# Altium PCB EDA-03518-V3-0_pcb.pcbdoc (part 9 of 14)
Units mm, origin at the board's own origin, x right, y up, seen from the top; angles counter-clockwise.
Board outline 220 x 230 mm, 8 copper layers (Top Layer, L2P, L3, L4P, L5P, L6, L7P, Bottom Layer), stack 2.18 mm thick; 1190 components, 1445 nets, 5955 pads, 2149 vias.
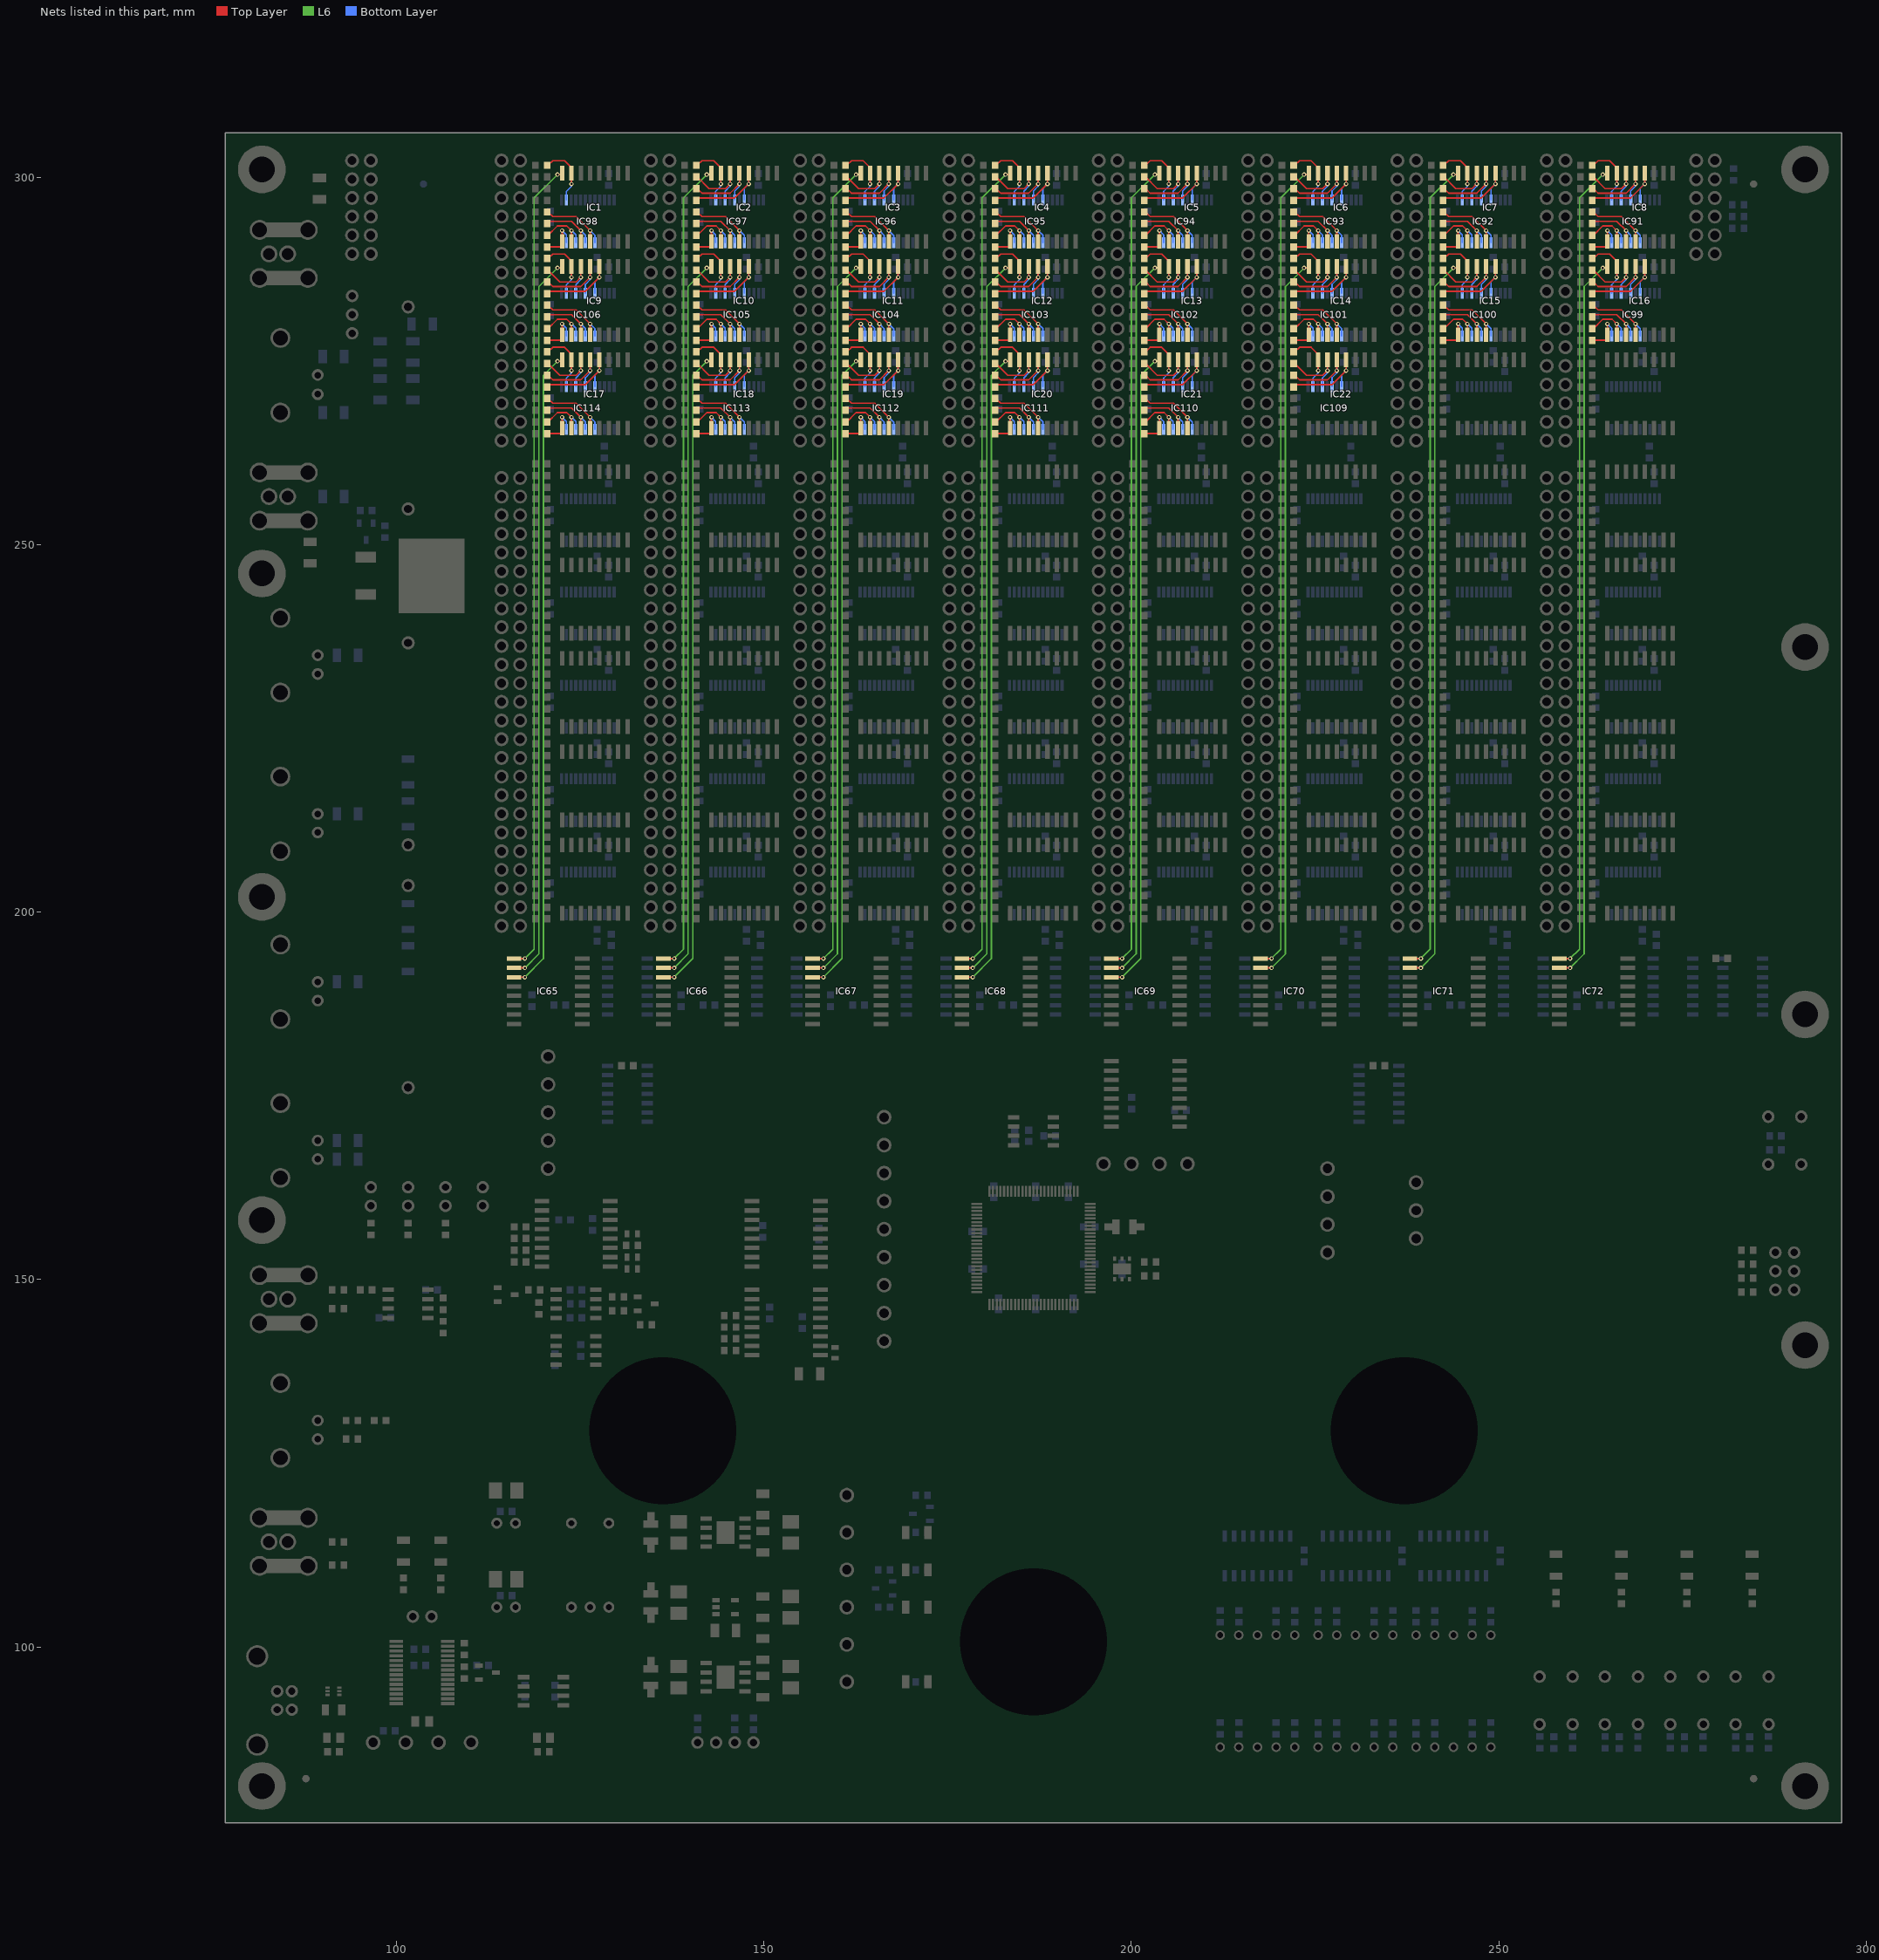
[diagram p15: the nets of this part, all layers, seen from the top]

## Via types
v1: diameter 0.6, hole 0.3, Top Layer to Bottom Layer, tented both sides, 1995 vias
v2: diameter 1, hole 0.5, Top Layer to Bottom Layer, tented both sides, 154 vias

## Nets (pads, with @x,y where several pads share a name; then routed paths per layer and width w, separated by ;. In a path a pad name is that pad's centre, name@x,y a point inside that pad or via, vN(x,y) a via of type N, cw(c..) or ccw(c..) an arc to the next point about the centre after c; other vN are vias at no path point) (continued)
NetIC1_7: IC1.7 IC98.14 R1.2 | length 8.7
  Top Layer w0.203: R1.2@120.498,301.625 120.65,301.625 121.285,302.26 122.872,302.26 123.825,301.308 IC1.7@123.825,300.56 v1(123.825,299.085)
  Bottom Layer w0.203: IC98.14@123.122,296.905 123.122,298.065 123.825,298.767 v1(123.825,299.085)
NetIC1_8: IC1.8 IC65.9 | length 110.7
  Top Layer w0.203: IC65.9@116,193.675 v1(117.475,193.675) ; v1(121.92,300.355) 122.35,300.355 IC1.8@122.555,300.56
  L6 w0.203: v1(117.475,193.675) 118.745,194.945 118.745,297.18 v1(121.92,300.355)
NetIC1_9: IC1.9 IC98.11 R58.2 | length 6.1
  Top Layer w0.203: R58.2@120.498,290.512 122.555,290.512 IC1.9@122.555,291.26 v1(122.555,292.735)
  Bottom Layer w0.203: v1(122.555,292.735) 123.122,292.168 IC98.11@123.122,291.105
NetIC1_10: IC1.10 IC98.9 R50.2 | length 7.5
  Top Layer w0.203: R50.2@120.498,292.1 120.65,292.1 121.92,293.37 123.19,293.37 v1(123.825,292.735) IC1.10@123.825,291.26
  Bottom Layer w0.203: v1(123.825,292.735) 124.422,292.138 IC98.9@124.422,291.105
NetIC1_11: IC1.11 IC98.7 R42.2 | length 8.6
  Top Layer w0.203: R42.2@120.498,293.688 120.815,294.005 123.825,294.005 v1(125.095,292.735) IC1.11@125.095,291.26
  Bottom Layer w0.203: v1(125.095,292.735) 125.722,292.108 IC98.7@125.722,291.105
NetIC1_12: IC1.12 IC98.5 R34.2 | length 10.3
  Top Layer w0.203: R34.2@120.498,295.275 120.65,295.275 121.285,294.64 124.46,294.64 v1(126.365,292.735) IC1.12@126.365,291.26
  Bottom Layer w0.203: v1(126.365,292.735) 127.022,292.078 IC98.5@127.022,291.105
NetIC2_4: IC2.4 IC97.20 R27.2 | length 12
  Top Layer w0.203: R27.2@140.818,296.863 141.135,297.18 146.05,297.18 v1(147.955,299.085) IC2.4@147.955,300.56
  Bottom Layer w0.203: IC97.20@147.342,296.905 147.342,298.472 v1(147.955,299.085)
NetIC2_5: IC2.5 IC97.18 R19.2 | length 10.6
  Top Layer w0.203: R19.2@140.818,298.45 140.97,298.45 141.605,297.815 145.415,297.815 v1(146.685,299.085) IC2.5@146.685,300.56
  Bottom Layer w0.203: IC97.18@146.042,296.905 146.042,298.125 146.685,298.767 v1(146.685,299.085)
NetIC2_6: IC2.6 IC97.16 R10.2 | length 9.5
  Top Layer w0.203: R10.2@140.818,300.037 140.97,300.037 142.558,298.45 144.78,298.45 v1(145.415,299.085) IC2.6@145.415,300.56
  Bottom Layer w0.203: IC97.16@144.742,296.905 144.742,298.095 145.415,298.767 v1(145.415,299.085)
NetIC2_7: IC2.7 IC97.14 R2.2 | length 8.7
  Top Layer w0.203: R2.2@140.818,301.625 140.97,301.625 141.605,302.26 143.192,302.26 144.145,301.308 IC2.7@144.145,300.56 v1(144.145,299.085)
  Bottom Layer w0.203: IC97.14@143.442,296.905 143.442,298.065 144.145,298.767 v1(144.145,299.085)
NetIC2_8: IC2.8 IC66.9 | length 110.7
  Top Layer w0.203: IC66.9@136.32,193.675 v1(137.795,193.675) ; v1(142.24,300.355) 142.67,300.355 IC2.8@142.875,300.56
  L6 w0.203: v1(137.795,193.675) 139.065,194.945 139.065,297.18 v1(142.24,300.355)
NetIC2_9: IC2.9 IC97.11 R59.2 | length 6.1
  Top Layer w0.203: R59.2@140.818,290.512 142.875,290.512 IC2.9@142.875,291.26 v1(142.875,292.735)
  Bottom Layer w0.203: v1(142.875,292.735) 143.442,292.168 IC97.11@143.442,291.105
NetIC2_10: IC2.10 IC97.9 R51.2 | length 7.5
  Top Layer w0.203: R51.2@140.818,292.1 140.97,292.1 142.24,293.37 143.51,293.37 v1(144.145,292.735) IC2.10@144.145,291.26
  Bottom Layer w0.203: v1(144.145,292.735) 144.742,292.138 IC97.9@144.742,291.105
NetIC2_11: IC2.11 IC97.7 R43.2 | length 8.6
  Top Layer w0.203: R43.2@140.818,293.688 141.135,294.005 144.145,294.005 v1(145.415,292.735) IC2.11@145.415,291.26
  Bottom Layer w0.203: v1(145.415,292.735) 146.042,292.108 IC97.7@146.042,291.105
NetIC2_12: IC2.12 IC97.5 R35.2 | length 10.3
  Top Layer w0.203: R35.2@140.818,295.275 140.97,295.275 141.605,294.64 144.78,294.64 v1(146.685,292.735) IC2.12@146.685,291.26
  Bottom Layer w0.203: v1(146.685,292.735) 147.342,292.078 IC97.5@147.342,291.105
NetIC3_4: IC3.4 IC96.20 R28.2 | length 12
  Top Layer w0.203: R28.2@161.138,296.863 161.455,297.18 166.37,297.18 v1(168.275,299.085) IC3.4@168.275,300.56
  Bottom Layer w0.203: IC96.20@167.662,296.905 167.662,298.472 v1(168.275,299.085)
NetIC3_5: IC3.5 IC96.18 R20.2 | length 10.6
  Top Layer w0.203: R20.2@161.138,298.45 161.29,298.45 161.925,297.815 165.735,297.815 v1(167.005,299.085) IC3.5@167.005,300.56
  Bottom Layer w0.203: IC96.18@166.362,296.905 166.362,298.125 167.005,298.767 v1(167.005,299.085)
NetIC3_6: IC3.6 IC96.16 R11.2 | length 9.5
  Top Layer w0.203: R11.2@161.138,300.037 161.29,300.037 162.877,298.45 165.1,298.45 v1(165.735,299.085) IC3.6@165.735,300.56
  Bottom Layer w0.203: IC96.16@165.062,296.905 165.062,298.095 165.735,298.767 v1(165.735,299.085)
NetIC3_7: IC3.7 IC96.14 R3.2 | length 8.7
  Top Layer w0.203: R3.2@161.138,301.625 161.29,301.625 161.925,302.26 163.512,302.26 164.465,301.308 IC3.7@164.465,300.56 v1(164.465,299.085)
  Bottom Layer w0.203: IC96.14@163.762,296.905 163.762,298.065 164.465,298.767 v1(164.465,299.085)
NetIC3_8: IC3.8 IC67.9 | length 110.7
  Top Layer w0.203: IC67.9@156.64,193.675 v1(158.115,193.675) ; v1(162.56,300.355) 162.99,300.355 IC3.8@163.195,300.56
  L6 w0.203: v1(158.115,193.675) 159.385,194.945 159.385,297.18 v1(162.56,300.355)
NetIC3_9: IC3.9 IC96.11 R60.2 | length 6.1
  Top Layer w0.203: R60.2@161.138,290.512 163.195,290.512 IC3.9@163.195,291.26 v1(163.195,292.735)
  Bottom Layer w0.203: v1(163.195,292.735) 163.762,292.168 IC96.11@163.762,291.105
NetIC3_10: IC3.10 IC96.9 R52.2 | length 7.5
  Top Layer w0.203: R52.2@161.138,292.1 161.29,292.1 162.56,293.37 163.83,293.37 v1(164.465,292.735) IC3.10@164.465,291.26
  Bottom Layer w0.203: v1(164.465,292.735) 165.062,292.138 IC96.9@165.062,291.105
NetIC3_11: IC3.11 IC96.7 R44.2 | length 8.6
  Top Layer w0.203: R44.2@161.138,293.688 161.455,294.005 164.465,294.005 v1(165.735,292.735) IC3.11@165.735,291.26
  Bottom Layer w0.203: v1(165.735,292.735) 166.362,292.108 IC96.7@166.362,291.105
NetIC3_12: IC3.12 IC96.5 R36.2 | length 10.3
  Top Layer w0.203: R36.2@161.138,295.275 161.29,295.275 161.925,294.64 165.1,294.64 v1(167.005,292.735) IC3.12@167.005,291.26
  Bottom Layer w0.203: v1(167.005,292.735) 167.662,292.078 IC96.5@167.662,291.105
NetIC4_4: IC4.4 IC95.20 R29.2 | length 12
  Top Layer w0.203: R29.2@181.458,296.863 181.775,297.18 186.69,297.18 v1(188.595,299.085) IC4.4@188.595,300.56
  Bottom Layer w0.203: IC95.20@187.982,296.905 187.982,298.472 v1(188.595,299.085)
NetIC4_5: IC4.5 IC95.18 R21.2 | length 10.6
  Top Layer w0.203: R21.2@181.458,298.45 181.61,298.45 182.245,297.815 186.055,297.815 v1(187.325,299.085) IC4.5@187.325,300.56
  Bottom Layer w0.203: IC95.18@186.682,296.905 186.682,298.125 187.325,298.767 v1(187.325,299.085)
NetIC4_6: IC4.6 IC95.16 R12.2 | length 9.5
  Top Layer w0.203: R12.2@181.458,300.037 181.61,300.037 183.197,298.45 185.42,298.45 v1(186.055,299.085) IC4.6@186.055,300.56
  Bottom Layer w0.203: IC95.16@185.382,296.905 185.382,298.095 186.055,298.767 v1(186.055,299.085)
NetIC4_7: IC4.7 IC95.14 R4.2 | length 8.7
  Top Layer w0.203: R4.2@181.458,301.625 181.61,301.625 182.245,302.26 183.832,302.26 184.785,301.308 IC4.7@184.785,300.56 v1(184.785,299.085)
  Bottom Layer w0.203: IC95.14@184.082,296.905 184.082,298.065 184.785,298.767 v1(184.785,299.085)
NetIC4_8: IC4.8 IC68.9 | length 110.7
  Top Layer w0.203: IC68.9@176.96,193.675 v1(178.435,193.675) ; v1(182.88,300.355) 183.31,300.355 IC4.8@183.515,300.56
  L6 w0.203: v1(178.435,193.675) 179.705,194.945 179.705,297.18 v1(182.88,300.355)
NetIC4_9: IC4.9 IC95.11 R61.2 | length 6.1
  Top Layer w0.203: R61.2@181.458,290.512 183.515,290.512 IC4.9@183.515,291.26 v1(183.515,292.735)
  Bottom Layer w0.203: v1(183.515,292.735) 184.082,292.168 IC95.11@184.082,291.105
NetIC4_10: IC4.10 IC95.9 R53.2 | length 7.5
  Top Layer w0.203: R53.2@181.458,292.1 181.61,292.1 182.88,293.37 184.15,293.37 v1(184.785,292.735) IC4.10@184.785,291.26
  Bottom Layer w0.203: v1(184.785,292.735) 185.382,292.138 IC95.9@185.382,291.105
NetIC4_11: IC4.11 IC95.7 R45.2 | length 8.6
  Top Layer w0.203: R45.2@181.458,293.688 181.775,294.005 184.785,294.005 v1(186.055,292.735) IC4.11@186.055,291.26
  Bottom Layer w0.203: v1(186.055,292.735) 186.682,292.108 IC95.7@186.682,291.105
NetIC4_12: IC4.12 IC95.5 R37.2 | length 10.3
  Top Layer w0.203: R37.2@181.458,295.275 181.61,295.275 182.245,294.64 185.42,294.64 v1(187.325,292.735) IC4.12@187.325,291.26
  Bottom Layer w0.203: v1(187.325,292.735) 187.982,292.078 IC95.5@187.982,291.105
NetIC5_4: IC5.4 IC94.20 R30.2 | length 12
  Top Layer w0.203: R30.2@201.778,296.863 202.095,297.18 207.01,297.18 v1(208.915,299.085) IC5.4@208.915,300.56
  Bottom Layer w0.203: IC94.20@208.302,296.905 208.302,298.472 v1(208.915,299.085)
NetIC5_5: IC5.5 IC94.18 R22.2 | length 10.6
  Top Layer w0.203: R22.2@201.778,298.45 201.93,298.45 202.565,297.815 206.375,297.815 v1(207.645,299.085) IC5.5@207.645,300.56
  Bottom Layer w0.203: IC94.18@207.002,296.905 207.002,298.125 207.645,298.767 v1(207.645,299.085)
NetIC5_6: IC5.6 IC94.16 R13.2 | length 9.5
  Top Layer w0.203: R13.2@201.778,300.037 201.93,300.037 203.517,298.45 205.74,298.45 v1(206.375,299.085) IC5.6@206.375,300.56
  Bottom Layer w0.203: IC94.16@205.702,296.905 205.702,298.095 206.375,298.767 v1(206.375,299.085)
NetIC5_7: IC5.7 IC94.14 R5.2 | length 8.7
  Top Layer w0.203: R5.2@201.778,301.625 201.93,301.625 202.565,302.26 204.153,302.26 205.105,301.308 IC5.7@205.105,300.56 v1(205.105,299.085)
  Bottom Layer w0.203: IC94.14@204.402,296.905 204.402,298.065 205.105,298.767 v1(205.105,299.085)
NetIC5_8: IC5.8 IC69.9 | length 110.7
  Top Layer w0.203: IC69.9@197.28,193.675 v1(198.755,193.675) ; v1(203.2,300.355) 203.63,300.355 IC5.8@203.835,300.56
  L6 w0.203: v1(198.755,193.675) 200.025,194.945 200.025,297.18 v1(203.2,300.355)
NetIC5_9: IC5.9 IC94.11 R62.2 | length 6.1
  Top Layer w0.203: R62.2@201.778,290.512 203.835,290.512 IC5.9@203.835,291.26 v1(203.835,292.735)
  Bottom Layer w0.203: v1(203.835,292.735) 204.402,292.168 IC94.11@204.402,291.105
NetIC5_10: IC5.10 IC94.9 R54.2 | length 7.5
  Top Layer w0.203: R54.2@201.778,292.1 201.93,292.1 203.2,293.37 204.47,293.37 v1(205.105,292.735) IC5.10@205.105,291.26
  Bottom Layer w0.203: v1(205.105,292.735) 205.702,292.138 IC94.9@205.702,291.105
NetIC5_11: IC5.11 IC94.7 R46.2 | length 8.6
  Top Layer w0.203: R46.2@201.778,293.688 202.095,294.005 205.105,294.005 v1(206.375,292.735) IC5.11@206.375,291.26
  Bottom Layer w0.203: v1(206.375,292.735) 207.002,292.108 IC94.7@207.002,291.105
NetIC5_12: IC5.12 IC94.5 R38.2 | length 10.3
  Top Layer w0.203: R38.2@201.778,295.275 201.93,295.275 202.565,294.64 205.74,294.64 v1(207.645,292.735) IC5.12@207.645,291.26
  Bottom Layer w0.203: v1(207.645,292.735) 208.302,292.078 IC94.5@208.302,291.105
NetIC6_4: IC6.4 IC93.20 R31.2 | length 12
  Top Layer w0.203: R31.2@222.098,296.863 222.415,297.18 227.33,297.18 v1(229.235,299.085) IC6.4@229.235,300.56
  Bottom Layer w0.203: IC93.20@228.622,296.905 228.622,298.472 v1(229.235,299.085)
NetIC6_5: IC6.5 IC93.18 R23.2 | length 10.6
  Top Layer w0.203: R23.2@222.098,298.45 222.25,298.45 222.885,297.815 226.695,297.815 v1(227.965,299.085) IC6.5@227.965,300.56
  Bottom Layer w0.203: IC93.18@227.322,296.905 227.322,298.125 227.965,298.767 v1(227.965,299.085)
NetIC6_6: IC6.6 IC93.16 R14.2 | length 9.5
  Top Layer w0.203: R14.2@222.098,300.037 222.25,300.037 223.837,298.45 226.06,298.45 v1(226.695,299.085) IC6.6@226.695,300.56
  Bottom Layer w0.203: IC93.16@226.022,296.905 226.022,298.095 226.695,298.767 v1(226.695,299.085)
NetIC6_7: IC6.7 IC93.14 R6.2 | length 8.7
  Top Layer w0.203: R6.2@222.098,301.625 222.25,301.625 222.885,302.26 224.472,302.26 225.425,301.308 IC6.7@225.425,300.56 v1(225.425,299.085)
  Bottom Layer w0.203: IC93.14@224.722,296.905 224.722,298.065 225.425,298.767 v1(225.425,299.085)
NetIC6_8: IC6.8 IC70.9 | length 110.7
  Top Layer w0.203: IC70.9@217.6,193.675 v1(219.075,193.675) ; v1(223.52,300.355) 223.95,300.355 IC6.8@224.155,300.56
  L6 w0.203: v1(219.075,193.675) 220.345,194.945 220.345,297.18 v1(223.52,300.355)
NetIC6_9: IC6.9 IC93.11 R63.2 | length 6.1
  Top Layer w0.203: R63.2@222.098,290.512 224.155,290.512 IC6.9@224.155,291.26 v1(224.155,292.735)
  Bottom Layer w0.203: v1(224.155,292.735) 224.722,292.168 IC93.11@224.722,291.105
NetIC6_10: IC6.10 IC93.9 R55.2 | length 7.5
  Top Layer w0.203: R55.2@222.098,292.1 222.25,292.1 223.52,293.37 224.79,293.37 v1(225.425,292.735) IC6.10@225.425,291.26
  Bottom Layer w0.203: v1(225.425,292.735) 226.022,292.138 IC93.9@226.022,291.105
NetIC6_11: IC6.11 IC93.7 R47.2 | length 8.6
  Top Layer w0.203: R47.2@222.098,293.688 222.415,294.005 225.425,294.005 v1(226.695,292.735) IC6.11@226.695,291.26
  Bottom Layer w0.203: v1(226.695,292.735) 227.322,292.108 IC93.7@227.322,291.105
NetIC6_12: IC6.12 IC93.5 R39.2 | length 10.3
  Top Layer w0.203: R39.2@222.098,295.275 222.25,295.275 222.885,294.64 226.06,294.64 v1(227.965,292.735) IC6.12@227.965,291.26
  Bottom Layer w0.203: v1(227.965,292.735) 228.622,292.078 IC93.5@228.622,291.105
NetIC7_4: IC7.4 IC92.20 R32.2 | length 12
  Top Layer w0.203: R32.2@242.418,296.863 242.735,297.18 247.65,297.18 v1(249.555,299.085) IC7.4@249.555,300.56
  Bottom Layer w0.203: IC92.20@248.942,296.905 248.942,298.472 v1(249.555,299.085)
NetIC7_5: IC7.5 IC92.18 R24.2 | length 10.6
  Top Layer w0.203: R24.2@242.418,298.45 242.57,298.45 243.205,297.815 247.015,297.815 v1(248.285,299.085) IC7.5@248.285,300.56
  Bottom Layer w0.203: IC92.18@247.642,296.905 247.642,298.125 248.285,298.767 v1(248.285,299.085)
NetIC7_6: IC7.6 IC92.16 R15.2 | length 9.5
  Top Layer w0.203: R15.2@242.418,300.037 242.57,300.037 244.157,298.45 246.38,298.45 v1(247.015,299.085) IC7.6@247.015,300.56
  Bottom Layer w0.203: IC92.16@246.342,296.905 246.342,298.095 247.015,298.767 v1(247.015,299.085)
NetIC7_7: IC7.7 IC92.14 R7.2 | length 8.7
  Top Layer w0.203: R7.2@242.418,301.625 242.57,301.625 243.205,302.26 244.792,302.26 245.745,301.308 IC7.7@245.745,300.56 v1(245.745,299.085)
  Bottom Layer w0.203: IC92.14@245.042,296.905 245.042,298.065 245.745,298.767 v1(245.745,299.085)
NetIC7_8: IC7.8 IC71.9 | length 110.7
  Top Layer w0.203: IC71.9@237.92,193.675 v1(239.395,193.675) ; v1(243.84,300.355) 244.27,300.355 IC7.8@244.475,300.56
  L6 w0.203: v1(239.395,193.675) 240.665,194.945 240.665,297.18 v1(243.84,300.355)
NetIC7_9: IC7.9 IC92.11 R64.2 | length 6.1
  Top Layer w0.203: R64.2@242.418,290.512 244.475,290.512 IC7.9@244.475,291.26 v1(244.475,292.735)
  Bottom Layer w0.203: v1(244.475,292.735) 245.042,292.168 IC92.11@245.042,291.105
NetIC7_10: IC7.10 IC92.9 R56.2 | length 7.5
  Top Layer w0.203: R56.2@242.418,292.1 242.57,292.1 243.84,293.37 245.11,293.37 v1(245.745,292.735) IC7.10@245.745,291.26
  Bottom Layer w0.203: v1(245.745,292.735) 246.342,292.138 IC92.9@246.342,291.105
NetIC7_11: IC7.11 IC92.7 R48.2 | length 8.6
  Top Layer w0.203: R48.2@242.418,293.688 242.735,294.005 245.745,294.005 v1(247.015,292.735) IC7.11@247.015,291.26
  Bottom Layer w0.203: v1(247.015,292.735) 247.642,292.108 IC92.7@247.642,291.105
NetIC7_12: IC7.12 IC92.5 R40.2 | length 10.3
  Top Layer w0.203: R40.2@242.418,295.275 242.57,295.275 243.205,294.64 246.38,294.64 v1(248.285,292.735) IC7.12@248.285,291.26
  Bottom Layer w0.203: v1(248.285,292.735) 248.942,292.078 IC92.5@248.942,291.105
NetIC8_4: IC8.4 IC91.20 R33.2 | length 12
  Top Layer w0.203: R33.2@262.738,296.863 263.055,297.18 267.97,297.18 v1(269.875,299.085) IC8.4@269.875,300.56
  Bottom Layer w0.203: IC91.20@269.262,296.905 269.262,298.472 v1(269.875,299.085)
NetIC8_5: IC8.5 IC91.18 R25.2 | length 10.6
  Top Layer w0.203: R25.2@262.738,298.45 262.89,298.45 263.525,297.815 267.335,297.815 v1(268.605,299.085) IC8.5@268.605,300.56
  Bottom Layer w0.203: IC91.18@267.962,296.905 267.962,298.125 268.605,298.767 v1(268.605,299.085)
NetIC8_6: IC8.6 IC91.16 R16.2 | length 9.5
  Top Layer w0.203: R16.2@262.738,300.037 262.89,300.037 264.477,298.45 266.7,298.45 v1(267.335,299.085) IC8.6@267.335,300.56
  Bottom Layer w0.203: IC91.16@266.662,296.905 266.662,298.095 267.335,298.767 v1(267.335,299.085)
NetIC8_7: IC8.7 IC91.14 R8.2 | length 8.7
  Top Layer w0.203: R8.2@262.738,301.625 262.89,301.625 263.525,302.26 265.113,302.26 266.065,301.308 IC8.7@266.065,300.56 v1(266.065,299.085)
  Bottom Layer w0.203: IC91.14@265.362,296.905 265.362,298.065 266.065,298.767 v1(266.065,299.085)
NetIC8_8: IC8.8 IC72.9 | length 110.7
  Top Layer w0.203: IC72.9@258.24,193.675 v1(259.715,193.675) ; v1(264.16,300.355) 264.59,300.355 IC8.8@264.795,300.56
  L6 w0.203: v1(259.715,193.675) 260.985,194.945 260.985,297.18 v1(264.16,300.355)
NetIC8_9: IC8.9 IC91.11 R65.2 | length 6.1
  Top Layer w0.203: R65.2@262.738,290.512 264.795,290.512 IC8.9@264.795,291.26 v1(264.795,292.735)
  Bottom Layer w0.203: v1(264.795,292.735) 265.362,292.168 IC91.11@265.362,291.105
NetIC8_10: IC8.10 IC91.9 R57.2 | length 7.5
  Top Layer w0.203: R57.2@262.738,292.1 262.89,292.1 264.16,293.37 265.43,293.37 v1(266.065,292.735) IC8.10@266.065,291.26
  Bottom Layer w0.203: v1(266.065,292.735) 266.662,292.138 IC91.9@266.662,291.105
NetIC8_11: IC8.11 IC91.7 R49.2 | length 8.6
  Top Layer w0.203: R49.2@262.738,293.688 263.055,294.005 266.065,294.005 v1(267.335,292.735) IC8.11@267.335,291.26
  Bottom Layer w0.203: v1(267.335,292.735) 267.962,292.108 IC91.7@267.962,291.105
NetIC8_12: IC8.12 IC91.5 R41.2 | length 10.3
  Top Layer w0.203: R41.2@262.738,295.275 262.89,295.275 263.525,294.64 266.7,294.64 v1(268.605,292.735) IC8.12@268.605,291.26
  Bottom Layer w0.203: v1(268.605,292.735) 269.262,292.078 IC91.5@269.262,291.105
NetIC9_4: IC9.4 IC106.20 R90.2 | length 12
  Top Layer w0.203: R90.2@120.498,284.162 120.815,284.48 125.73,284.48 v1(127.635,286.385) IC9.4@127.635,287.86
  Bottom Layer w0.203: IC106.20@127.022,284.205 127.022,285.772 v1(127.635,286.385)
NetIC9_5: IC9.5 IC106.18 R82.2 | length 10.6
  Top Layer w0.203: R82.2@120.498,285.75 120.65,285.75 121.285,285.115 125.095,285.115 v1(126.365,286.385) IC9.5@126.365,287.86
  Bottom Layer w0.203: IC106.18@125.722,284.205 125.722,285.425 126.365,286.067 v1(126.365,286.385)
NetIC9_6: IC9.6 IC106.16 R74.2 | length 9.5
  Top Layer w0.203: R74.2@120.498,287.337 120.65,287.337 122.237,285.75 124.46,285.75 v1(125.095,286.385) IC9.6@125.095,287.86
  Bottom Layer w0.203: IC106.16@124.422,284.205 124.422,285.395 125.095,286.067 v1(125.095,286.385)
NetIC9_7: IC9.7 IC106.14 R66.2 | length 8.7
  Top Layer w0.203: R66.2@120.498,288.925 120.65,288.925 121.285,289.56 122.872,289.56 123.825,288.608 IC9.7@123.825,287.86 v1(123.825,286.385)
  Bottom Layer w0.203: IC106.14@123.122,284.205 123.122,285.365 123.825,286.067 v1(123.825,286.385)
NetIC9_8: IC9.8 IC65.10 | length 99.3
  Top Layer w0.203: IC65.10@116,192.405 v1(117.475,192.405) ; v1(121.92,287.655) 122.35,287.655 IC9.8@122.555,287.86
  L6 w0.203: v1(117.475,192.405) 119.38,194.31 119.38,285.115 v1(121.92,287.655)
NetIC9_9: IC9.9 IC106.11 R122.2 | length 6.1
  Top Layer w0.203: R122.2@120.498,277.812 122.555,277.812 IC9.9@122.555,278.56 v1(122.555,280.035)
  Bottom Layer w0.203: v1(122.555,280.035) 123.122,279.468 IC106.11@123.122,278.405
NetIC9_10: IC9.10 IC106.9 R114.2 | length 7.5
  Top Layer w0.203: R114.2@120.498,279.4 120.65,279.4 121.92,280.67 123.19,280.67 v1(123.825,280.035) IC9.10@123.825,278.56
  Bottom Layer w0.203: v1(123.825,280.035) 124.422,279.438 IC106.9@124.422,278.405
NetIC9_11: IC9.11 IC106.7 R106.2 | length 8.6
  Top Layer w0.203: R106.2@120.498,280.988 120.815,281.305 123.825,281.305 v1(125.095,280.035) IC9.11@125.095,278.56
  Bottom Layer w0.203: v1(125.095,280.035) 125.722,279.408 IC106.7@125.722,278.405
NetIC9_12: IC9.12 IC106.5 R98.2 | length 10.3
  Top Layer w0.203: R98.2@120.498,282.575 120.65,282.575 121.285,281.94 124.46,281.94 v1(126.365,280.035) IC9.12@126.365,278.56
  Bottom Layer w0.203: v1(126.365,280.035) 127.022,279.378 IC106.5@127.022,278.405
NetIC10_4: IC10.4 IC105.20 R91.2 | length 12
  Top Layer w0.203: R91.2@140.818,284.162 141.135,284.48 146.05,284.48 v1(147.955,286.385) IC10.4@147.955,287.86
  Bottom Layer w0.203: IC105.20@147.342,284.205 147.342,285.772 v1(147.955,286.385)